# EAGLE board Mk4 Final Panel (EAGLE 9.0.1), part 5 of 18 (continued)
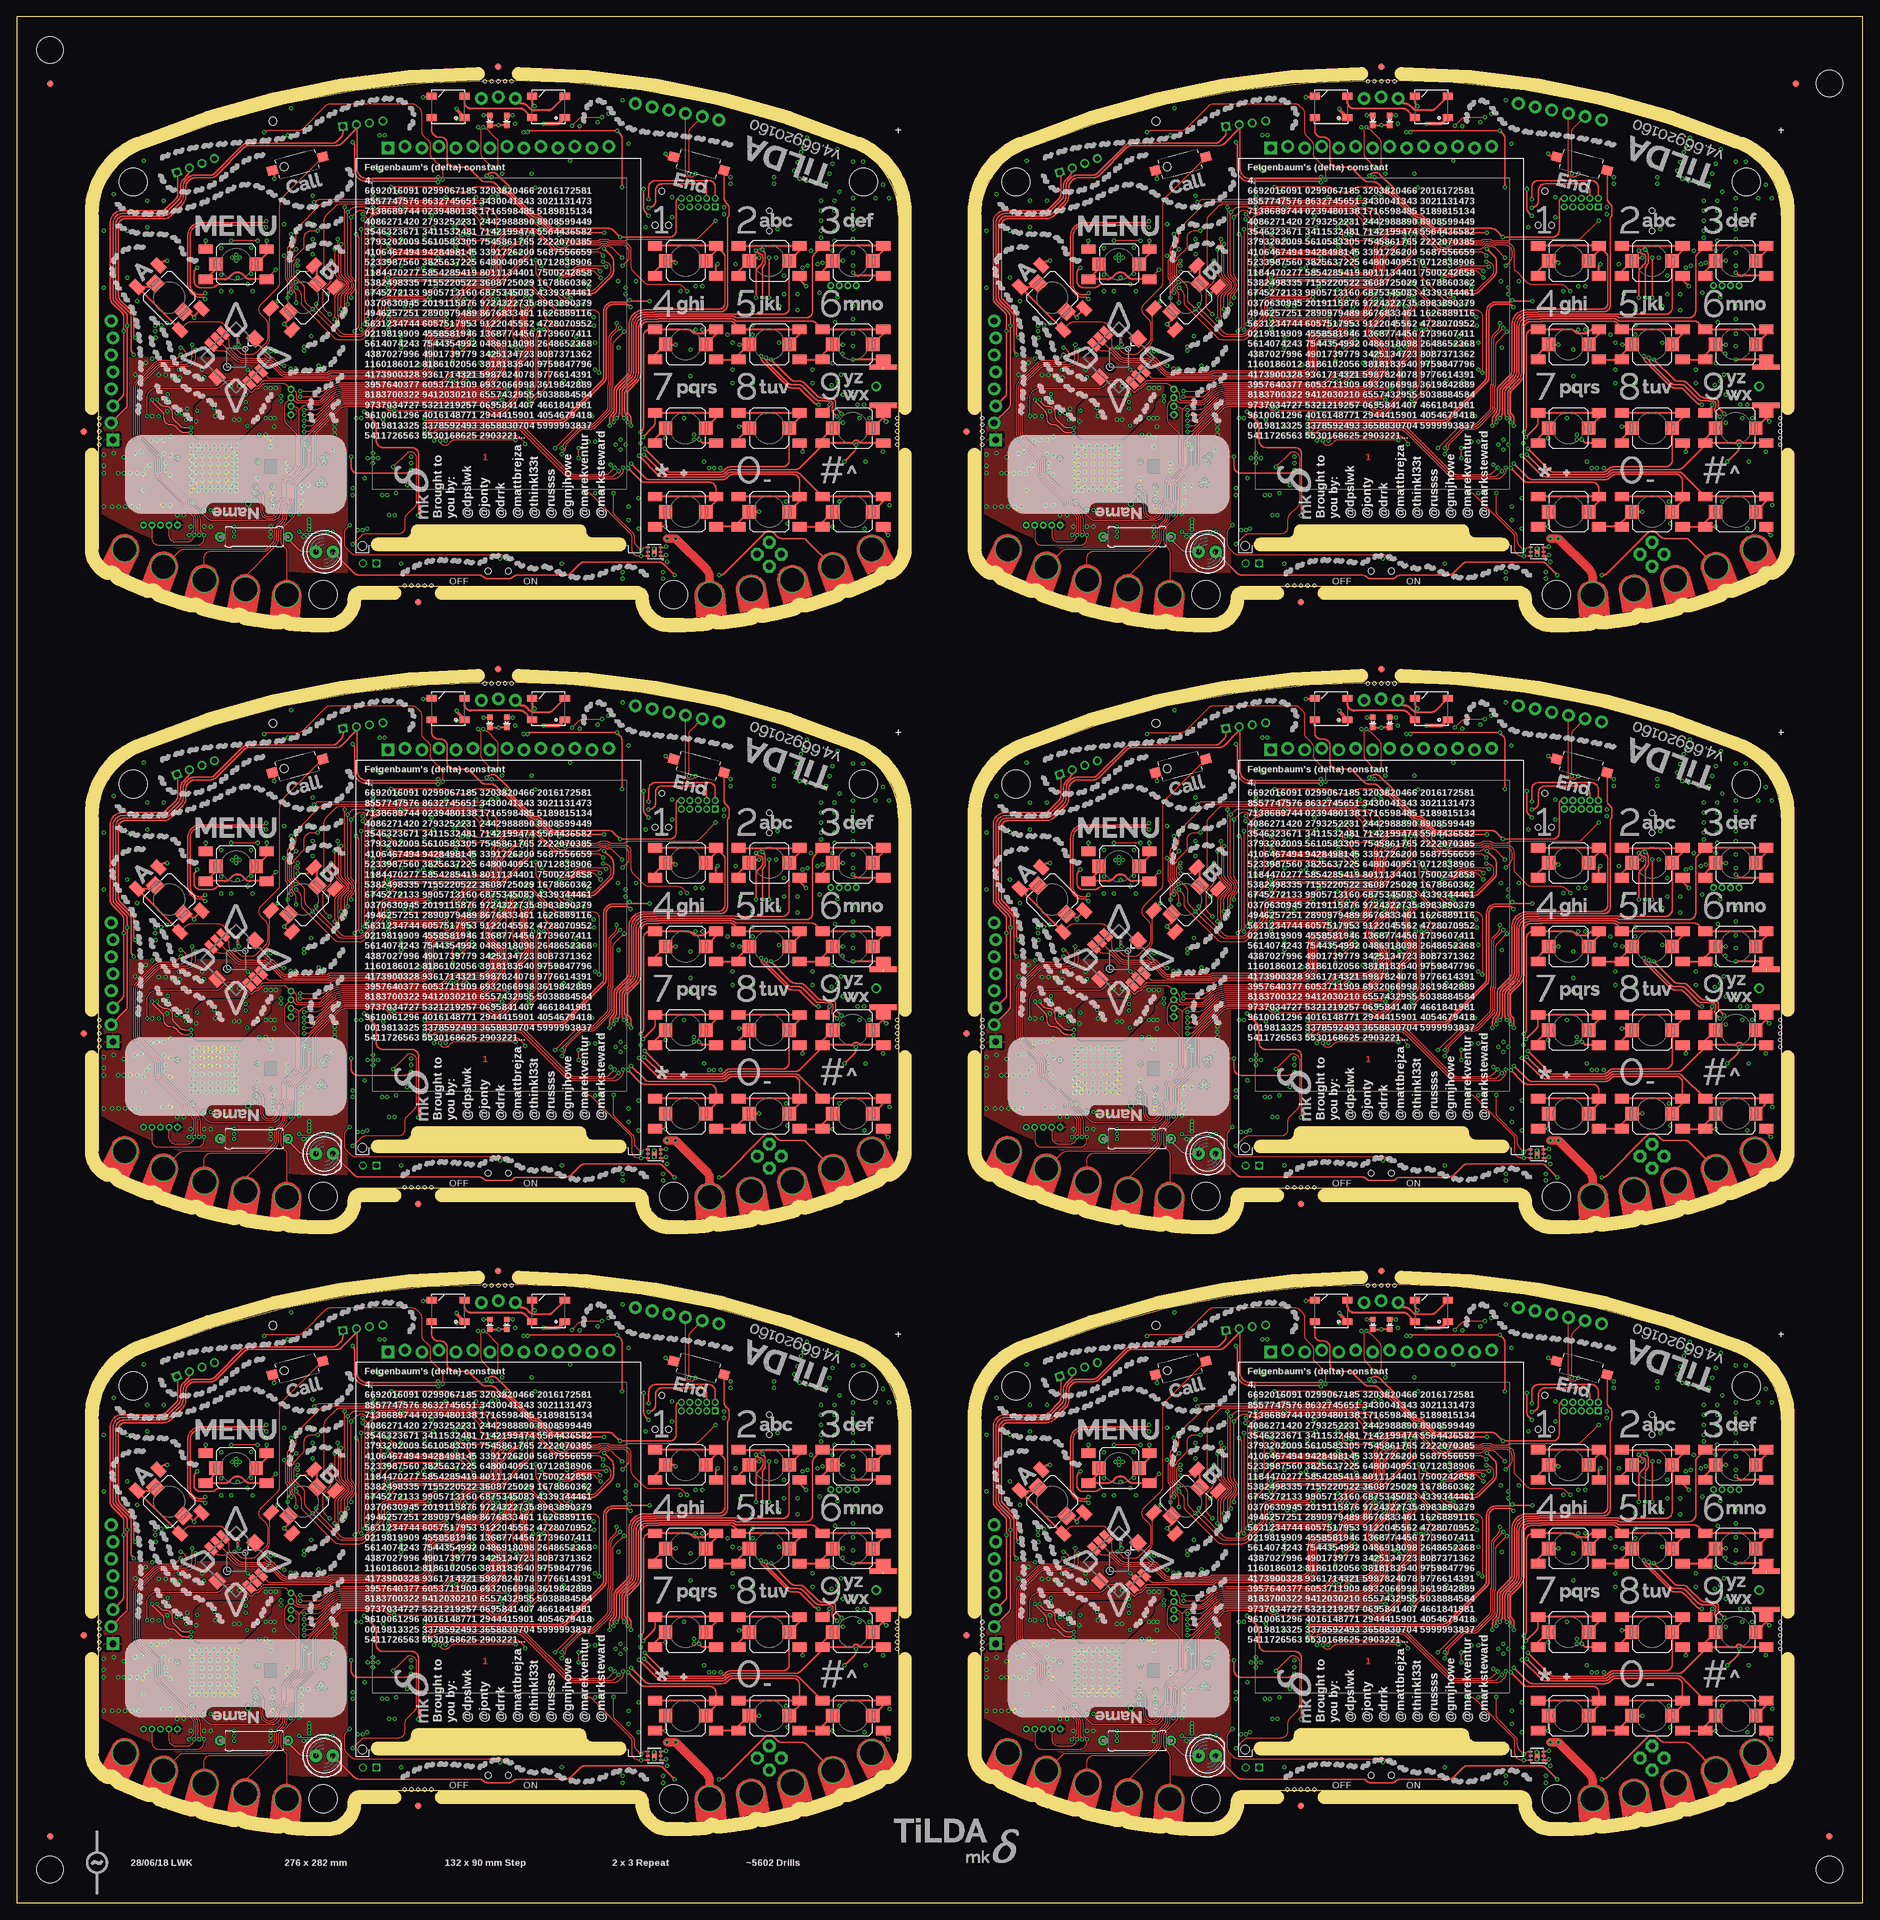
[diagram p0: board, top side]
## Tracks (layer width: path | path; a pad name or v marks a point on that pad's centre or on a via) (continued)
  Bottom 0.2: C125.2 R88.1
!RESET2  (via drill 0.3)
  Top 0.15: v89.7,146.2 89.7,145.81 arc-45 89.41,145.11 88.82,144.52 arc45 88.53,143.81 88.53,137.15 arc-45 88.5,137.08 88.43,137.01 arc45 88.4,136.94 88.4,133.76 arc-45 88.11,133.06 86.24,131.19 arc-45 85.54,130.9 84.31,130.9 arc45 83.61,130.61 v80.5,127.5
  Top 0.2: J23.10 98.84,164.84 arc45 98.6,164.27 98.6,160.05 arc-90 97.6,159.05 v90.2,159.05 89.19,160.06 arc45 88.49,160.35 80.46,160.35 arc-45 79.75,160.64 78.14,162.25 arc45 77.79,162.4 77.67,162.4 arc-45 76.96,162.69 74.02,165.63 arc-45 73.73,166.34 arc45 73.6,166.65 71.83,168.42 arc90 70.42,168.42 v70.25,168.25
  3V3@2 0.15: v90.2,159.05 90.2,156.8 88.62,155.22 88.62,154.38 88.5,154.26 88.5,148.65 89.7,147.45 v89.7,146.2
  Bottom 0.15: IC38.70 67.8,163.59 arc-45 67.95,163.95 68.25,164.25 arc-45 68.61,164.4 68.79,164.4 arc45 69.15,164.55 69.85,165.25 arc45 70,165.61 C233.2 | R166.1 70,167.79 arc-45 70.15,168.15 v70.25,168.25 | v80.5,127.5 80.5,121.83 arc45 81.01,120.59 86.09,115.51 arc45 87.33,115 90.45,115 arc-90 91.7,113.75 91.7,112.16 arc-45 91.41,111.46 90.41,110.46 arc-45 90.27,110.4 89.56,110.4 arc45 89.42,110.34 89.38,110.31 arc-45 89.24,110.25 S61.2
  Bottom 0.2: C233.2 R166.1
!RESET3  (via drill 0.3)
  Top 0.15: v221.7,146.2 221.7,145.81 arc-45 221.41,145.11 220.82,144.52 arc45 220.53,143.81 220.53,137.15 arc-45 220.5,137.08 220.43,137.01 arc45 220.4,136.94 220.4,133.76 arc-45 220.11,133.06 218.24,131.19 arc-45 217.54,130.9 216.31,130.9 arc45 215.61,130.61 v212.5,127.5
  Top 0.2: J33.10 230.84,164.84 arc45 230.6,164.27 230.6,160.05 arc-90 229.6,159.05 v222.2,159.05 221.19,160.06 arc45 220.49,160.35 212.46,160.35 arc-45 211.75,160.64 210.14,162.25 arc45 209.79,162.4 209.67,162.4 arc-45 208.96,162.69 206.02,165.63 arc-45 205.73,166.34 arc45 205.6,166.65 203.83,168.42 arc90 202.42,168.42 v202.25,168.25
  3V3@2 0.15: v222.2,159.05 222.2,156.8 220.62,155.22 220.62,154.38 220.5,154.26 220.5,148.65 221.7,147.45 v221.7,146.2
  Bottom 0.15: IC56.70 199.8,163.59 arc-45 199.95,163.95 200.25,164.25 arc-45 200.61,164.4 200.79,164.4 arc45 201.15,164.55 201.85,165.25 arc45 202,165.61 C341.2 | R244.1 202,167.79 arc-45 202.15,168.15 v202.25,168.25 | v212.5,127.5 212.5,121.83 arc45 213.01,120.59 218.09,115.51 arc45 219.32,115 222.45,115 arc-90 223.7,113.75 223.7,112.16 arc-45 223.41,111.46 222.41,110.46 arc-45 222.27,110.4 221.56,110.4 arc45 221.42,110.34 221.38,110.31 arc-45 221.24,110.25 S82.2
  Bottom 0.2: C341.2 R244.1
!RESET4  (via drill 0.3)
  Top 0.15: v89.7,236.2 89.7,235.81 arc-45 89.41,235.11 88.82,234.52 arc45 88.53,233.81 88.53,227.15 arc-45 88.5,227.08 88.43,227.01 arc45 88.4,226.94 88.4,223.76 arc-45 88.11,223.06 86.24,221.19 arc-45 85.54,220.9 84.31,220.9 arc45 83.61,220.61 v80.5,217.5
  Top 0.2: J43.10 98.84,254.84 arc45 98.6,254.27 98.6,250.05 arc-90 97.6,249.05 v90.2,249.05 89.19,250.06 arc45 88.49,250.35 80.46,250.35 arc-45 79.75,250.64 78.14,252.25 arc45 77.79,252.4 77.67,252.4 arc-45 76.96,252.69 74.02,255.63 arc-45 73.73,256.34 arc45 73.6,256.65 71.83,258.42 arc90 70.42,258.42 v70.25,258.25
  3V3@2 0.15: v90.2,249.05 90.2,246.8 88.62,245.22 88.62,244.38 88.5,244.26 88.5,238.65 89.7,237.45 v89.7,236.2
  Bottom 0.15: IC74.70 67.8,253.59 arc-45 67.95,253.95 68.25,254.25 arc-45 68.61,254.4 68.79,254.4 arc45 69.15,254.55 69.85,255.25 arc45 70,255.61 C449.2 | R322.1 70,257.79 arc-45 70.15,258.15 v70.25,258.25 | v80.5,217.5 80.5,211.82 arc45 81.01,210.59 86.09,205.51 arc45 87.33,205 90.45,205 arc-90 91.7,203.75 91.7,202.16 arc-45 91.41,201.46 90.41,200.46 arc-45 90.27,200.4 89.56,200.4 arc45 89.42,200.34 89.38,200.31 arc-45 89.24,200.25 S103.2
  Bottom 0.2: C449.2 R322.1
!RESET5  (via drill 0.3)
  Top 0.15: v221.7,236.2 221.7,235.81 arc-45 221.41,235.11 220.82,234.52 arc45 220.53,233.81 220.53,227.15 arc-45 220.5,227.08 220.43,227.01 arc45 220.4,226.94 220.4,223.76 arc-45 220.11,223.06 218.24,221.19 arc-45 217.54,220.9 216.31,220.9 arc45 215.61,220.61 v212.5,217.5
  Top 0.2: J53.10 230.84,254.84 arc45 230.6,254.27 230.6,250.05 arc-90 229.6,249.05 v222.2,249.05 221.19,250.06 arc45 220.49,250.35 212.46,250.35 arc-45 211.75,250.64 210.14,252.25 arc45 209.79,252.4 209.67,252.4 arc-45 208.96,252.69 206.02,255.63 arc-45 205.73,256.34 arc45 205.6,256.65 203.83,258.42 arc90 202.42,258.42 v202.25,258.25
  3V3@2 0.15: v222.2,249.05 222.2,246.8 220.62,245.22 220.62,244.38 220.5,244.26 220.5,238.65 221.7,237.45 v221.7,236.2
  Bottom 0.15: IC92.70 199.8,253.59 arc-45 199.95,253.95 200.25,254.25 arc-45 200.61,254.4 200.79,254.4 arc45 201.15,254.55 201.85,255.25 arc45 202,255.61 C557.2 | R400.1 202,257.79 arc-45 202.15,258.15 v202.25,258.25 | v212.5,217.5 212.5,211.82 arc45 213.01,210.59 218.09,205.51 arc45 219.32,205 222.45,205 arc-90 223.7,203.75 223.7,202.16 arc-45 223.41,201.46 222.41,200.46 arc-45 222.27,200.4 221.56,200.4 arc45 221.42,200.34 221.38,200.31 arc-45 221.24,200.25 S124.2
  Bottom 0.2: C557.2 R400.1
!WAKE  (via drill 0.3)
  Top 0.15: v66.5,71.2 68.11,69.59 arc45 68.81,69.3 71.87,69.3 arc45 72.22,69.45 72.81,70.03 arc-45 73.52,70.33 77.23,70.33 arc-45 77.76,70.1 80.4,67.47 arc45 81.11,67.17 82.24,67.17 82.27,67.2 86.54,67.2 arc45 87.25,67.49 87.52,67.77 arc-45 87.66,67.83 87.94,67.83 arc-45 88.08,67.77 88.18,67.66 arc45 88.33,67.6 88.49,67.6 arc-45 89.19,67.31 v90.5,66 | v81.5,37.5 81.52,37.52 arc-45 81.75,38.08 83.98,40.31 arc-45 84.69,40.6 85.66,40.6 arc45 86.37,40.89 88.41,42.93 arc45 88.7,43.64 88.7,46.82 arc-45 88.73,46.89 88.8,46.96 arc45 88.83,47.03 88.83,53.66 arc-45 89.12,54.37 v90.22,55.48
  3V3@2 0.15: v90.22,55.48 90.22,56.58 90.1,56.7 90.1,57.48 88.8,58.78 88.8,64.13 88.92,64.26 88.92,64.42 v90.5,66
  Bottom 0.15: S20.2 64.25,20.25 65.21,19.29 arc45 65.91,19 68.88,19 arc-45 69.58,18.71 69.97,18.32 arc45 70.32,18.18 73.68,18.18 arc45 74.03,18.32 74.42,18.71 arc-45 75.12,19 88.09,19 arc45 88.79,19.29 89.54,20.04 arc-45 89.68,20.1 90.39,20.1 arc45 90.53,20.16 91.63,21.26 arc45 92,22.14 92,23.8 arc90 90.5,25.3 87.4,25.3 arc-45 86.34,25.74 81.34,30.74 arc-45 80.9,31.8 80.9,36.49 arc-45 81.19,37.19 v81.5,37.5 | IC1.64 v66.5,71.2
  Bottom 0.2: IC1.64 62.7,71.2 R5.1
!WAKE1  (via drill 0.3)
  Top 0.15: v198.5,71.2 200.11,69.59 arc45 200.81,69.3 203.87,69.3 arc45 204.22,69.45 204.81,70.03 arc-45 205.51,70.33 209.23,70.33 arc-45 209.76,70.1 212.4,67.47 arc45 213.11,67.17 214.24,67.17 214.27,67.2 218.54,67.2 arc45 219.25,67.49 219.52,67.77 arc-45 219.66,67.83 219.94,67.83 arc-45 220.08,67.77 220.18,67.66 arc45 220.32,67.6 220.49,67.6 arc-45 221.19,67.31 v222.5,66 | v213.5,37.5 213.52,37.52 arc-45 213.75,38.08 215.98,40.31 arc-45 216.69,40.6 217.66,40.6 arc45 218.37,40.89 220.41,42.93 arc45 220.7,43.64 220.7,46.82 arc-45 220.73,46.89 220.8,46.96 arc45 220.82,47.03 220.82,53.66 arc-45 221.12,54.37 v222.22,55.48
  3V3@2 0.15: v222.22,55.48 222.22,56.58 222.1,56.7 222.1,57.48 220.8,58.78 220.8,64.13 220.93,64.26 220.93,64.42 v222.5,66
  Bottom 0.15: S41.2 196.25,20.25 197.21,19.29 arc45 197.91,19 200.88,19 arc-45 201.59,18.71 201.97,18.32 arc45 202.32,18.18 205.68,18.18 arc45 206.03,18.32 206.41,18.71 arc-45 207.12,19 220.09,19 arc45 220.79,19.29 221.54,20.04 arc-45 221.68,20.1 222.39,20.1 arc45 222.53,20.16 223.63,21.26 arc45 224,22.14 224,23.8 arc90 222.5,25.3 219.4,25.3 arc-45 218.34,25.74 213.34,30.74 arc-45 212.9,31.8 212.9,36.49 arc-45 213.19,37.19 v213.5,37.5 | IC20.64 v198.5,71.2
  Bottom 0.2: IC20.64 194.7,71.2 R89.1
!WAKE2  (via drill 0.3)
  Top 0.15: v66.5,161.2 68.11,159.59 arc45 68.81,159.3 71.87,159.3 arc45 72.22,159.45 72.81,160.03 arc-45 73.52,160.32 77.23,160.32 arc-45 77.76,160.1 80.4,157.47 arc45 81.11,157.18 82.24,157.18 82.27,157.2 86.54,157.2 arc45 87.25,157.49 87.52,157.77 arc-45 87.66,157.82 87.94,157.82 arc-45 88.08,157.77 88.18,157.66 arc45 88.33,157.6 88.49,157.6 arc-45 89.19,157.31 v90.5,156 | v81.5,127.5 81.52,127.52 arc-45 81.75,128.07 83.98,130.31 arc-45 84.69,130.6 85.66,130.6 arc45 86.37,130.89 88.41,132.93 arc45 88.7,133.64 88.7,136.82 arc-45 88.73,136.89 88.8,136.96 arc45 88.83,137.03 88.83,143.66 arc-45 89.12,144.37 v90.22,145.47
  3V3@2 0.15: v90.22,145.47 90.22,146.57 90.1,146.7 90.1,147.48 88.8,148.78 88.8,154.13 88.92,154.26 88.92,154.43 v90.5,156
  Bottom 0.15: S62.2 64.25,110.25 65.21,109.29 arc45 65.91,109 68.88,109 arc-45 69.58,108.71 69.97,108.32 arc45 70.32,108.17 73.68,108.17 arc45 74.03,108.32 74.42,108.71 arc-45 75.12,109 88.09,109 arc45 88.79,109.29 89.54,110.04 arc-45 89.68,110.1 90.39,110.1 arc45 90.53,110.16 91.63,111.26 arc45 92,112.14 92,113.8 arc90 90.5,115.3 87.4,115.3 arc-45 86.34,115.74 81.34,120.74 arc-45 80.9,121.8 80.9,126.49 arc-45 81.19,127.19 v81.5,127.5 | IC38.64 v66.5,161.2
  Bottom 0.2: IC38.64 62.7,161.2 R167.1
!WAKE3  (via drill 0.3)
  Top 0.15: v198.5,161.2 200.11,159.59 arc45 200.81,159.3 203.87,159.3 arc45 204.22,159.45 204.81,160.03 arc-45 205.51,160.32 209.23,160.32 arc-45 209.76,160.1 212.4,157.47 arc45 213.11,157.18 214.24,157.18 214.27,157.2 218.54,157.2 arc45 219.25,157.49 219.52,157.77 arc-45 219.66,157.82 219.94,157.82 arc-45 220.08,157.77 220.18,157.66 arc45 220.32,157.6 220.49,157.6 arc-45 221.19,157.31 v222.5,156 | v213.5,127.5 213.52,127.52 arc-45 213.75,128.07 215.98,130.31 arc-45 216.69,130.6 217.66,130.6 arc45 218.37,130.89 220.41,132.93 arc45 220.7,133.64 220.7,136.82 arc-45 220.73,136.89 220.8,136.96 arc45 220.82,137.03 220.82,143.66 arc-45 221.12,144.37 v222.22,145.47
  3V3@2 0.15: v222.22,145.47 222.22,146.57 222.1,146.7 222.1,147.48 220.8,148.78 220.8,154.13 220.93,154.26 220.93,154.43 v222.5,156
  Bottom 0.15: S83.2 196.25,110.25 197.21,109.29 arc45 197.91,109 200.88,109 arc-45 201.59,108.71 201.97,108.32 arc45 202.32,108.17 205.68,108.17 arc45 206.03,108.32 206.41,108.71 arc-45 207.12,109 220.09,109 arc45 220.79,109.29 221.54,110.04 arc-45 221.68,110.1 222.39,110.1 arc45 222.53,110.16 223.63,111.26 arc45 224,112.14 224,113.8 arc90 222.5,115.3 219.4,115.3 arc-45 218.34,115.74 213.34,120.74 arc-45 212.9,121.8 212.9,126.49 arc-45 213.19,127.19 v213.5,127.5 | IC56.64 v198.5,161.2
  Bottom 0.2: IC56.64 194.7,161.2 R245.1
!WAKE4  (via drill 0.3)
  Top 0.15: v66.5,251.2 68.11,249.59 arc45 68.81,249.3 71.87,249.3 arc45 72.22,249.45 72.81,250.03 arc-45 73.52,250.32 77.23,250.32 arc-45 77.76,250.1 80.4,247.47 arc45 81.11,247.18 82.24,247.18 82.27,247.2 86.54,247.2 arc45 87.25,247.49 87.52,247.77 arc-45 87.66,247.82 87.94,247.82 arc-45 88.08,247.77 88.18,247.66 arc45 88.33,247.6 88.49,247.6 arc-45 89.19,247.31 v90.5,246 | v81.5,217.5 81.52,217.52 arc-45 81.75,218.07 83.98,220.31 arc-45 84.69,220.6 85.66,220.6 arc45 86.37,220.89 88.41,222.93 arc45 88.7,223.64 88.7,226.82 arc-45 88.73,226.89 88.8,226.96 arc45 88.83,227.03 88.83,233.66 arc-45 89.12,234.37 v90.22,235.47
  3V3@2 0.15: v90.22,235.47 90.22,236.57 90.1,236.7 90.1,237.48 88.8,238.78 88.8,244.13 88.92,244.26 88.92,244.43 v90.5,246
  Bottom 0.15: S104.2 64.25,200.25 65.21,199.29 arc45 65.91,199 68.88,199 arc-45 69.58,198.71 69.97,198.32 arc45 70.32,198.18 73.68,198.18 arc45 74.03,198.32 74.42,198.71 arc-45 75.12,199 88.09,199 arc45 88.79,199.29 89.54,200.04 arc-45 89.68,200.1 90.39,200.1 arc45 90.53,200.16 91.63,201.26 arc45 92,202.14 92,203.8 arc90 90.5,205.3 87.4,205.3 arc-45 86.34,205.74 81.34,210.74 arc-45 80.9,211.8 80.9,216.49 arc-45 81.19,217.19 v81.5,217.5 | IC74.64 v66.5,251.2
  Bottom 0.2: IC74.64 62.7,251.2 R323.1
!WAKE5  (via drill 0.3)
  Top 0.15: v198.5,251.2 200.11,249.59 arc45 200.81,249.3 203.87,249.3 arc45 204.22,249.45 204.81,250.03 arc-45 205.51,250.32 209.23,250.32 arc-45 209.76,250.1 212.4,247.47 arc45 213.11,247.18 214.24,247.18 214.27,247.2 218.54,247.2 arc45 219.25,247.49 219.52,247.77 arc-45 219.66,247.82 219.94,247.82 arc-45 220.08,247.77 220.18,247.66 arc45 220.32,247.6 220.49,247.6 arc-45 221.19,247.31 v222.5,246 | v213.5,217.5 213.52,217.52 arc-45 213.75,218.07 215.98,220.31 arc-45 216.69,220.6 217.66,220.6 arc45 218.37,220.89 220.41,222.93 arc45 220.7,223.64 220.7,226.82 arc-45 220.73,226.89 220.8,226.96 arc45 220.82,227.03 220.82,233.66 arc-45 221.12,234.37 v222.22,235.47
  3V3@2 0.15: v222.22,235.47 222.22,236.57 222.1,236.7 222.1,237.48 220.8,238.78 220.8,244.13 220.93,244.26 220.93,244.43 v222.5,246
  Bottom 0.15: S125.2 196.25,200.25 197.21,199.29 arc45 197.91,199 200.88,199 arc-45 201.59,198.71 201.97,198.32 arc45 202.32,198.18 205.68,198.18 arc45 206.03,198.32 206.41,198.71 arc-45 207.12,199 220.09,199 arc45 220.79,199.29 221.54,200.04 arc-45 221.68,200.1 222.39,200.1 arc45 222.53,200.16 223.63,201.26 arc45 224,202.14 224,203.8 arc90 222.5,205.3 219.4,205.3 arc-45 218.34,205.74 213.34,210.74 arc-45 212.9,211.8 212.9,216.49 arc-45 213.19,217.19 v213.5,217.5 | IC92.64 v198.5,251.2
  Bottom 0.2: IC92.64 194.7,251.2 R401.1
ADC1_HALL  (via drill 0.3)
  Top 0.15: v83,53 v84.25,53
  Bottom 0.15: IC1.13 73.4,55.06 arc-45 73.11,54.36 73.04,54.29 arc45 72.75,53.59 72.75,52.5 arc90 73.75,51.5 78.34,51.5 arc45 79.04,51.79 79.67,52.42 arc-45 80.38,52.72 82.55,52.72 82.83,53 v83,53 | v84.25,53 84.96,52.29 arc45 85.66,52 87.59,52 arc-45 88.29,51.71 94.11,45.89 arc-45 94.4,45.19 94.4,39.33 arc45 94.91,38.09 99.79,33.21 arc45 101.03,32.7 104.5,32.7 arc-90 105.5,31.7 105.5,23.91 arc-45 105.21,23.21 104.54,22.54 arc-45 103.84,22.25 IC18.2
ADC1_HALL1  (via drill 0.3)
  Top 0.15: v215,53 v216.25,53
  Bottom 0.15: IC20.13 205.4,55.06 arc-45 205.11,54.36 205.04,54.29 arc45 204.75,53.59 204.75,52.5 arc90 205.75,51.5 210.34,51.5 arc45 211.04,51.79 211.67,52.42 arc-45 212.38,52.72 214.54,52.72 214.83,53 v215,53 | v216.25,53 216.96,52.29 arc45 217.66,52 219.59,52 arc-45 220.29,51.71 226.11,45.89 arc-45 226.4,45.19 226.4,39.33 arc45 226.91,38.09 231.79,33.21 arc45 233.03,32.7 236.5,32.7 arc-90 237.5,31.7 237.5,23.91 arc-45 237.21,23.21 236.54,22.54 arc-45 235.84,22.25 IC36.2
ADC1_HALL2  (via drill 0.3)
  Top 0.15: v83,143 v84.25,143
  Bottom 0.15: IC38.13 73.4,145.06 arc-45 73.11,144.36 73.04,144.29 arc45 72.75,143.59 72.75,142.5 arc90 73.75,141.5 78.34,141.5 arc45 79.04,141.79 79.67,142.42 arc-45 80.38,142.72 82.55,142.72 82.83,143 v83,143 | v84.25,143 84.96,142.29 arc45 85.66,142 87.59,142 arc-45 88.29,141.71 94.11,135.89 arc-45 94.4,135.19 94.4,129.32 arc45 94.91,128.09 99.79,123.21 arc45 101.03,122.7 104.5,122.7 arc-90 105.5,121.7 105.5,113.91 arc-45 105.21,113.21 104.54,112.54 arc-45 103.84,112.25 IC54.2
ADC1_HALL3  (via drill 0.3)
  Top 0.15: v215,143 v216.25,143
  Bottom 0.15: IC56.13 205.4,145.06 arc-45 205.11,144.36 205.04,144.29 arc45 204.75,143.59 204.75,142.5 arc90 205.75,141.5 210.34,141.5 arc45 211.04,141.79 211.67,142.42 arc-45 212.38,142.72 214.54,142.72 214.83,143 v215,143 | v216.25,143 216.96,142.29 arc45 217.66,142 219.59,142 arc-45 220.29,141.71 226.11,135.89 arc-45 226.4,135.19 226.4,129.32 arc45 226.91,128.09 231.79,123.21 arc45 233.03,122.7 236.5,122.7 arc-90 237.5,121.7 237.5,113.91 arc-45 237.21,113.21 236.54,112.54 arc-45 235.84,112.25 IC72.2
ADC1_HALL4  (via drill 0.3)
  Top 0.15: v83,233 v84.25,233
  Bottom 0.15: IC74.13 73.4,235.06 arc-45 73.11,234.36 73.04,234.29 arc45 72.75,233.59 72.75,232.5 arc90 73.75,231.5 78.34,231.5 arc45 79.04,231.79 79.67,232.42 arc-45 80.38,232.72 82.55,232.72 82.83,233 v83,233 | v84.25,233 84.96,232.29 arc45 85.66,232 87.59,232 arc-45 88.29,231.71 94.11,225.89 arc-45 94.4,225.19 94.4,219.32 arc45 94.91,218.09 99.79,213.21 arc45 101.03,212.7 104.5,212.7 arc-90 105.5,211.7 105.5,203.91 arc-45 105.21,203.21 104.54,202.54 arc-45 103.84,202.25 IC90.2
ADC1_HALL5  (via drill 0.3)
  Top 0.15: v215,233 v216.25,233
  Bottom 0.15: IC92.13 205.4,235.06 arc-45 205.11,234.36 205.04,234.29 arc45 204.75,233.59 204.75,232.5 arc90 205.75,231.5 210.34,231.5 arc45 211.04,231.79 211.67,232.42 arc-45 212.38,232.72 214.54,232.72 214.83,233 v215,233 | v216.25,233 216.96,232.29 arc45 217.66,232 219.59,232 arc-45 220.29,231.71 226.11,225.89 arc-45 226.4,225.19 226.4,219.32 arc45 226.91,218.09 231.79,213.21 arc45 233.03,212.7 236.5,212.7 arc-90 237.5,211.7 237.5,203.91 arc-45 237.21,203.21 236.54,202.54 arc-45 235.84,202.25 IC108.2
AIN6_SPK_ADC  (via drill 0.3)
  Top 0.15: v87.7,65.4 87.8,65.4 arc-90 88.8,64.4 88.8,64.01 arc-45 88.51,63.31 86.47,61.27 arc-45 85.76,60.98 82.83,60.98 82.75,61.05 arc45 82.39,61.2 82.1,61.2 arc90 81.6,60.7 81.6,60.5 arc90 82.1,60 v82.8,60
  Bottom 0.15: R46.2 94.75,64.4 arc90 93.75,65.4 92.6,65.4 | v87.7,65.4 92.6,65.4 | v82.8,60 81.71,60 arc45 81.35,59.85 81.25,59.75 arc-45 80.89,59.6 IC1.126 | IC11.7 92.67,65.33 92.6,65.4
AIN6_SPK_ADC1  (via drill 0.3)
  Top 0.15: v219.7,65.4 219.8,65.4 arc-90 220.8,64.4 220.8,64.01 arc-45 220.51,63.31 218.47,61.27 arc-45 217.76,60.98 214.82,60.98 214.75,61.05 arc45 214.39,61.2 214.1,61.2 arc90 213.6,60.7 213.6,60.5 arc90 214.1,60 v214.8,60
  Bottom 0.15: R127.2 226.75,64.4 arc90 225.75,65.4 224.6,65.4 | v219.7,65.4 224.6,65.4 | v214.8,60 213.71,60 arc45 213.35,59.85 213.25,59.75 arc-45 212.89,59.6 IC20.126 | IC26.7 224.68,65.33 224.6,65.4
AIN6_SPK_ADC2  (via drill 0.3)
  Top 0.15: v87.7,155.4 87.8,155.4 arc-90 88.8,154.4 88.8,154.01 arc-45 88.51,153.31 86.47,151.27 arc-45 85.76,150.97 82.83,150.97 82.75,151.05 arc45 82.39,151.2 82.1,151.2 arc90 81.6,150.7 81.6,150.5 arc90 82.1,150 v82.8,150
  Bottom 0.15: R205.2 94.75,154.4 arc90 93.75,155.4 92.6,155.4 | v87.7,155.4 92.6,155.4 | v82.8,150 81.71,150 arc45 81.35,149.85 81.25,149.75 arc-45 80.89,149.6 IC38.126 | IC44.7 92.67,155.32 92.6,155.4
AIN6_SPK_ADC3  (via drill 0.3)
  Top 0.15: v219.7,155.4 219.8,155.4 arc-90 220.8,154.4 220.8,154.01 arc-45 220.51,153.31 218.47,151.27 arc-45 217.76,150.97 214.82,150.97 214.75,151.05 arc45 214.39,151.2 214.1,151.2 arc90 213.6,150.7 213.6,150.5 arc90 214.1,150 v214.8,150
  Bottom 0.15: R283.2 226.75,154.4 arc90 225.75,155.4 224.6,155.4 | v219.7,155.4 224.6,155.4 | v214.8,150 213.71,150 arc45 213.35,149.85 213.25,149.75 arc-45 212.89,149.6 IC56.126 | IC62.7 224.68,155.32 224.6,155.4
AIN6_SPK_ADC4  (via drill 0.3)
  Top 0.15: v87.7,245.4 87.8,245.4 arc-90 88.8,244.4 88.8,244.01 arc-45 88.51,243.31 86.47,241.27 arc-45 85.76,240.97 82.83,240.97 82.75,241.05 arc45 82.39,241.2 82.1,241.2 arc90 81.6,240.7 81.6,240.5 arc90 82.1,240 v82.8,240
  Bottom 0.15: R361.2 94.75,244.4 arc90 93.75,245.4 92.6,245.4 | v87.7,245.4 92.6,245.4 | v82.8,240 81.71,240 arc45 81.35,239.85 81.25,239.75 arc-45 80.89,239.6 IC74.126 | IC80.7 92.67,245.32 92.6,245.4
AIN6_SPK_ADC5  (via drill 0.3)
  Top 0.15: v219.7,245.4 219.8,245.4 arc-90 220.8,244.4 220.8,244.01 arc-45 220.51,243.31 218.47,241.27 arc-45 217.76,240.97 214.82,240.97 214.75,241.05 arc45 214.39,241.2 214.1,241.2 arc90 213.6,240.7 213.6,240.5 arc90 214.1,240 v214.8,240
  Bottom 0.15: R439.2 226.75,244.4 arc90 225.75,245.4 224.6,245.4 | v219.7,245.4 224.6,245.4 | v214.8,240 213.71,240 arc45 213.35,239.85 213.25,239.75 arc-45 212.89,239.6 IC92.126 | IC98.7 224.68,245.32 224.6,245.4
AMP_!SHUTDOWN  (via drill 0.3)
  Top 0.15: v36,68.5 v32.05,68.5
  3V3@2 0.15: v60.75,64.5 60.75,64.05 60.55,63.85 60.55,55.55 v57.5,52.5
  Bottom 0.15: IC1.46 63.77,64 arc45 63.42,63.85 63.29,63.72 arc-45 62.94,63.58 61.88,63.58 arc-45 61.53,63.72 v60.75,64.5 | v57.5,52.5 57.09,52.91 arc45 56.39,53.2 43.78,53.2 arc-45 43.64,53.26 43.56,53.34 arc45 43.42,53.4 42.76,53.4 arc-45 42.06,53.69 41.54,54.21 arc-45 41.25,54.91 41.25,56.34 arc45 40.96,57.04 39.47,58.53 arc45 39.12,58.67 38.91,58.67 arc-90 38.17,59.41 arc45 37.88,60.12 37.79,60.21 arc-45 37.5,60.91 37.5,65.59 arc45 37.21,66.29 36.29,67.21 arc-45 36,67.91 v36,68.5
  Bottom 0.2: IC13.1 31.83,67.86 arc-45 32.05,68.4 v32.05,68.5 R74.1
AMP_!SHUTDOWN1  (via drill 0.3)
  Top 0.15: v168,68.5 v164.05,68.5
  3V3@2 0.15: v192.75,64.5 192.75,64.05 192.55,63.85 192.55,55.55 v189.5,52.5
  Bottom 0.15: IC20.46 195.78,64 arc45 195.42,63.85 195.29,63.72 arc-45 194.94,63.58 193.88,63.58 arc-45 193.53,63.72 v192.75,64.5 | v189.5,52.5 189.09,52.91 arc45 188.39,53.2 175.78,53.2 arc-45 175.64,53.26 175.56,53.34 arc45 175.42,53.4 174.76,53.4 arc-45 174.06,53.69 173.54,54.21 arc-45 173.25,54.91 173.25,56.34 arc45 172.96,57.04 171.47,58.53 arc45 171.12,58.67 170.91,58.67 arc-90 170.18,59.41 arc45 169.88,60.12 169.79,60.21 arc-45 169.5,60.91 169.5,65.59 arc45 169.21,66.29 168.29,67.21 arc-45 168,67.91 v168,68.5
  Bottom 0.2: IC28.1 163.82,67.86 arc-45 164.05,68.4 v164.05,68.5 R155.1
AMP_!SHUTDOWN2  (via drill 0.3)
  Top 0.15: v36,158.5 v32.05,158.5
  3V3@2 0.15: v60.75,154.5 60.75,154.05 60.55,153.85 60.55,145.55 v57.5,142.5
  Bottom 0.15: IC38.46 63.77,154 arc45 63.42,153.85 63.29,153.72 arc-45 62.94,153.57 61.88,153.57 arc-45 61.53,153.72 v60.75,154.5 | v57.5,142.5 57.09,142.91 arc45 56.39,143.2 43.78,143.2 arc-45 43.64,143.26 43.56,143.34 arc45 43.42,143.4 42.76,143.4 arc-45 42.06,143.69 41.54,144.21 arc-45 41.25,144.91 41.25,146.34 arc45 40.96,147.04 39.47,148.53 arc45 39.12,148.68 38.91,148.68 arc-90 38.17,149.41 arc45 37.88,150.12 37.79,150.21 arc-45 37.5,150.91 37.5,155.59 arc45 37.21,156.29 36.29,157.21 arc-45 36,157.91 v36,158.5
  Bottom 0.2: IC46.1 31.83,157.86 arc-45 32.05,158.4 v32.05,158.5 R233.1
AMP_!SHUTDOWN3  (via drill 0.3)
  Top 0.15: v168,158.5 v164.05,158.5
  3V3@2 0.15: v192.75,154.5 192.75,154.05 192.55,153.85 192.55,145.55 v189.5,142.5
  Bottom 0.15: IC56.46 195.78,154 arc45 195.42,153.85 195.29,153.72 arc-45 194.94,153.57 193.88,153.57 arc-45 193.53,153.72 v192.75,154.5 | v189.5,142.5 189.09,142.91 arc45 188.39,143.2 175.78,143.2 arc-45 175.64,143.26 175.56,143.34 arc45 175.42,143.4 174.76,143.4 arc-45 174.06,143.69 173.54,144.21 arc-45 173.25,144.91 173.25,146.34 arc45 172.96,147.04 171.47,148.53 arc45 171.12,148.68 170.91,148.68 arc-90 170.18,149.41 arc45 169.88,150.12 169.79,150.21 arc-45 169.5,150.91 169.5,155.59 arc45 169.21,156.29 168.29,157.21 arc-45 168,157.91 v168,158.5
  Bottom 0.2: IC64.1 163.82,157.86 arc-45 164.05,158.4 v164.05,158.5 R311.1
AMP_!SHUTDOWN4  (via drill 0.3)
  Top 0.15: v36,248.5 v32.05,248.5
  3V3@2 0.15: v60.75,244.5 60.75,244.05 60.55,243.85 60.55,235.55 v57.5,232.5
  Bottom 0.15: IC74.46 63.77,244 arc45 63.42,243.85 63.29,243.72 arc-45 62.94,243.57 61.88,243.57 arc-45 61.53,243.72 v60.75,244.5 | v57.5,232.5 57.09,232.91 arc45 56.39,233.2 43.78,233.2 arc-45 43.64,233.26 43.56,233.34 arc45 43.42,233.4 42.76,233.4 arc-45 42.06,233.69 41.54,234.21 arc-45 41.25,234.91 41.25,236.34 arc45 40.96,237.04 39.47,238.53 arc45 39.12,238.68 38.91,238.68 arc-90 38.17,239.41 arc45 37.88,240.12 37.79,240.21 arc-45 37.5,240.91 37.5,245.59 arc45 37.21,246.29 36.29,247.21 arc-45 36,247.91 v36,248.5
  Bottom 0.2: IC82.1 31.83,247.86 arc-45 32.05,248.4 v32.05,248.5 R389.1
AMP_!SHUTDOWN5  (via drill 0.3)
  Top 0.15: v168,248.5 v164.05,248.5
  3V3@2 0.15: v192.75,244.5 192.75,244.05 192.55,243.85 192.55,235.55 v189.5,232.5
  Bottom 0.15: IC92.46 195.78,244 arc45 195.42,243.85 195.29,243.72 arc-45 194.94,243.57 193.88,243.57 arc-45 193.53,243.72 v192.75,244.5 | v189.5,232.5 189.09,232.91 arc45 188.39,233.2 175.78,233.2 arc-45 175.64,233.26 175.56,233.34 arc45 175.42,233.4 174.76,233.4 arc-45 174.06,233.69 173.54,234.21 arc-45 173.25,234.91 173.25,236.34 arc45 172.96,237.04 171.47,238.53 arc45 171.12,238.68 170.91,238.68 arc-90 170.18,239.41 arc45 169.88,240.12 169.79,240.21 arc-45 169.5,240.91 169.5,245.59 arc45 169.21,246.29 168.29,247.21 arc-45 168,247.91 v168,248.5
  Bottom 0.2: IC100.1 163.82,247.86 arc-45 164.05,248.4 v164.05,248.5 R467.1
AMP_IN_N
  Bottom 0.2: 33.42,70.47 R58.2 33.45,69.55 R78.2 33.77,69.22 IC13.4
AMP_IN_N1
  Bottom 0.2: 165.43,70.47 R136.2 165.45,69.55 R154.2 165.78,69.22 IC28.4
AMP_IN_N2
  Bottom 0.2: 33.42,160.47 R214.2 33.45,159.55 R232.2 33.77,159.22 IC46.4
AMP_IN_N3
  Bottom 0.2: 165.43,160.47 R292.2 165.45,159.55 R310.2 165.78,159.22 IC64.4
AMP_IN_N4
  Bottom 0.2: 33.42,250.47 R370.2 33.45,249.55 R388.2 33.77,249.22 IC82.4
AMP_IN_N5
  Bottom 0.2: 165.43,250.47 R448.2 165.45,249.55 R466.2 165.78,249.22 IC100.4
AMP_IN_P
  Bottom 0.2: R57.2 R77.2 33.45,73.5 | J9.3 38.76,81.04 arc45 38.05,80.75 J9.2 36.1,78.8 35.8,78.8 33.74,76.74 arc45 33.45,76.04 33.45,73.5 | R75.2 33.45,73.5
AMP_IN_P1
  Bottom 0.2: R135.2 R153.2 165.45,73.5 | J17.3 170.76,81.04 arc45 170.05,80.75 J17.2 168.11,78.8 167.8,78.8 165.74,76.74 arc45 165.45,76.04 165.45,73.5 | R156.2 165.45,73.5
AMP_IN_P2
  Bottom 0.2: R213.2 R231.2 33.45,163.5 | J27.3 38.76,171.04 arc45 38.05,170.75 J27.2 36.1,168.8 35.8,168.8 33.74,166.74 arc45 33.45,166.04 33.45,163.5 | R234.2 33.45,163.5
AMP_IN_P3
  Bottom 0.2: R291.2 R309.2 165.45,163.5 | J37.3 170.76,171.04 arc45 170.05,170.75 J37.2 168.11,168.8 167.8,168.8 165.74,166.74 arc45 165.45,166.04 165.45,163.5 | R312.2 165.45,163.5
AMP_IN_P4
  Bottom 0.2: R369.2 R387.2 33.45,253.5 | J47.3 38.76,261.04 arc45 38.05,260.75 J47.2 36.1,258.8 35.8,258.8 33.74,256.74 arc45 33.45,256.04 33.45,253.5 | R390.2 33.45,253.5
AMP_IN_P5